# Allegro board 8880F5-0824_updates.brd (continued)
## Routing (per net, layer and track width the routed paths; a pad name or vN(x,y) marks a point on that pad's centre or on a via; arc(x,y) is an arc through that point) (continued)
33.02,94.79 ; D125.A9 32.21,93.98 ; D125.A9 33.83,93.98 ; D125.A9 33.02,93.17 ; D102.A14 341.17,76.2 ; D102.A14 340.36,75.39 ; D102.A14 340.36,77.01 ; D102.A14 339.55,76.2 ; D103.A8 325.93,55.88 ; D103.A8 325.12,56.69 ; D103.A8 324.31,55.88 ; D103.A8 325.12,55.07 ; D104.B6 320.04,41.45 ; D104.B6 320.04,39.83 ; D104.B6 319.23,40.64 ; D104.B6 320.85,40.64 ; D302.B4 314.96,71.83 ; D302.B4 314.25,71.12 ; D302.B4 315.67,71.12 ; D302.B4 314.96,70.41 ; CSDPS429.B12 172.72,343.71 ; CSDPS429.B12 173.53,342.9 ; CSDPS429.B12 171.91,342.9 ; CSDPS429.B12 172.72,342.09 ; D120.A11 185.42,33.83 ; D120.A11 184.61,33.02 ; D120.A11 185.42,32.21 ; D120.A11 186.23,33.02 ; D321.B16 272.49,91.44 ; D321.B16 271.78,90.73 ; D321.B16 271.07,91.44 ; D321.B16 271.78,92.15 ; 321.87,83.82 D301.A7 ; D301.A7 322.58,84.53 ; D301.A7 322.58,83.11 ; D301.A7 323.29,83.82 ; D322.B8 251.46,71.83 ; D322.B8 251.46,70.41 ; D322.B8 252.17,71.12 ; D322.B8 250.75,71.12 ; 344.63,81.28 D102.B16 ; D102.B16 345.44,82.09 ; D102.B16 346.25,81.28 ; D102.B16 345.44,80.47 ; 199.85,340.36 CSDPS429.C1 ; CSDPS429.C1 201.47,340.36 ; CSDPS429.C1 200.66,341.17 ; CSDPS429.C1 200.66,339.55 ; 260.81,60.96 D123.B12 ; D123.B12 262.43,60.96 ; D123.B12 261.62,61.77 ; D123.B12 261.62,60.15 ; 109.22,95.71 D129.A10 ; D129.A10 108.41,96.52 ; D129.A10 110.03,96.52 ; D129.A10 109.22,97.33 ; D124.A4 241.3,36.37 ; D124.A4 240.49,35.56 ; D124.A4 241.3,34.75 ; D124.A4 242.11,35.56 ; 396.24,354.79 D110.A11 ; D110.A11 395.43,355.6 ; D110.A11 397.05,355.6 ; D110.A11 396.24,356.41 ; CSDPS429.C13 170.18,341.17 ; CSDPS429.C13 169.37,340.36 ; CSDPS429.C13 170.99,340.36 ; CSDPS429.C13 170.18,339.55 ; D104.A10 330.2,36.37 ; D104.A10 329.39,35.56 ; D104.A10 331.01,35.56 ; D104.A10 330.2,34.75 ; D102.B3 313.23,78.74 ; D102.B3 312.42,79.55 ; D102.B3 311.61,78.74 ; D102.B3 312.42,77.93 ; 408.13,373.38 D111.A6 ; D111.A6 409.75,373.38 ; D111.A6 408.94,372.57 ; D111.A6 408.94,374.19 ; D130.A16 125.27,76.2 ; D130.A16 123.65,76.2 ; D130.A16 124.46,75.39 ; D130.A16 124.46,77.01 ; CSDPS229.C3 195.58,331.01 ; CSDPS229.C3 194.77,330.2 ; CSDPS229.C3 195.58,329.39 ; CSDPS229.C3 196.39,330.2 ; 175.26,37.29 D120.B7 ; D120.B7 176.07,38.1 ; D120.B7 175.26,38.91 ; D120.B7 174.45,38.1 ; 249.75,242.83 SITE1.G14 ; SITE1.G14 250.23,243.31 ; SITE1.G14 250.71,242.83 ; SITE1.G14 250.23,242.35 ; D317.B13 191.21,88.9 ; D317.B13 189.79,88.9 ; D317.B13 190.5,88.19 ; D317.B13 190.5,89.61 ; D104.A13 337.82,33.83 ; D104.A13 337.82,32.21 ; D104.A13 338.63,33.02 ; D104.A13 337.01,33.02 ; D104.B14 340.36,41.45 ; D104.B14 339.55,40.64 ; D104.B14 341.17,40.64 ; D104.B14 340.36,39.83 ; D107.B16 419.1,61.77 ; D107.B16 419.91,60.96 ; D107.B16 418.29,60.96 ; D107.B16 419.1,60.15 ; D114.B5 337.82,351.33 ; D114.B5 338.63,350.52 ; D114.B5 337.01,350.52 ; D114.B5 337.82,349.71 ; D124.A8 252.27,35.56 ; D124.A8 250.65,35.56 ; D124.A8 251.46,34.75 ; D124.A8 251.46,36.37 ; D115.A5 338.63,375.92 ; D115.A5 337.01,375.92 ; D115.A5 337.82,376.73 ; D115.A5 337.82,375.11 ; 17.78,37.29 D128.B3 ; D128.B3 16.97,38.1 ; D128.B3 17.78,38.91 ; D128.B3 18.59,38.1 ; D305.B7 396.24,89.61 ; D305.B7 395.53,88.9 ; D305.B7 396.95,88.9 ; D305.B7 396.24,88.19 ; 381,72.85 D106.A1 ; D106.A1 380.19,73.66 ; D106.A1 381.81,73.66 ; D106.A1 381,74.47 ; 184.61,370.84 D231.B7 ; D231.B7 185.42,371.65 ; D231.B7 186.23,370.84 ; D231.B7 185.42,370.03 ; 35.56,80.47 D126.B10 ; D126.B10 34.75,81.28 ; D126.B10 35.56,82.09 ; D126.B10 36.37,81.28 ; D120.A9 180.34,33.83 ; D120.A9 179.53,33.02 ; D120.A9 180.34,32.21 ; D120.A9 181.15,33.02 ; 177.09,66.04 D318.A8 ; D318.A8 177.8,65.33 ; D318.A8 177.8,66.75 ; D318.A8 178.51,66.04 ; 386.08,354.79 D110.A15 ; D110.A15 386.89,355.6 ; D110.A15 385.27,355.6 ; D110.A15 386.08,356.41 ; SITE2.G16 332.63,243.31 ; SITE2.G16 333.11,242.83 ; SITE2.G16 332.15,242.83 ; SITE2.G16 332.63,242.35 ; D122.A9 254,74.47 ; D122.A9 254,72.85 ; D122.A9 253.19,73.66 ; D122.A9 254.81,73.66 ; D128.B11 38.1,38.91 ; D128.B11 38.1,37.29 ; D128.B11 37.29,38.1 ; D128.B11 38.91,38.1 ; D128.A13 43.99,33.02 ; D128.A13 42.37,33.02 ; D128.A13 43.18,33.83 ; D128.A13 43.18,32.21 ; D122.B9 254.81,78.74 ; D122.B9 254,79.55 ; D122.B9 254,77.93 ; D122.B9 253.19,78.74 ; D122.B8 252.27,81.28 ; D122.B8 251.46,80.47 ; D122.B8 251.46,82.09 ; D122.B8 250.65,81.28 ; D318.B5 170.89,68.58 ; D318.B5 170.18,69.29 ; D318.B5 170.18,67.87 ; D318.B5 169.47,68.58 ; D127.B2 15.24,61.77 ; D127.B2 15.24,60.15 ; D127.B2 14.43,60.96 ; D127.B2 16.05,60.96 ; 388.62,85.65 D305.A4 ; D305.A4 389.33,86.36 ; D305.A4 388.62,87.07 ; D305.A4 387.91,86.36 ; D110.B8 404.67,347.98 ; D110.B8 403.05,347.98 ; D110.B8 403.86,347.17 ; D110.B8 403.86,348.79 ; D118.B10 183.69,81.28 ; D118.B10 182.88,82.09 ; D118.B10 182.07,81.28 ; D118.B10 182.88,80.47 ; 329.75,246.43 SITE2.G18 ; SITE2.G18 330.71,246.43 ; SITE2.G18 330.23,245.95 ; SITE2.G18 330.23,246.91 ; 314.96,352.25 D114.A14 ; D114.A14 314.96,353.87 ; D114.A14 314.15,353.06 ; D114.A14 315.77,353.06 ; DPS2.C15 313.23,410.21 ; DPS2.C15 312.42,411.02 ; DPS2.C15 311.61,410.21 ; DPS2.C15 312.42,409.4 ; 259.08,37.29 D124.B11 ; D124.B11 259.89,38.1 ; D124.B11 258.27,38.1 ; D124.B11 259.08,38.91 ; D110.A9 401.32,356.41 ; D110.A9 402.13,355.6 ; D110.A9 401.32,354.79 ; D110.A9 400.51,355.6 ; 405.59,53.34 D107.A11 ; D107.A11 406.4,54.15 ; D107.A11 406.4,52.53 ; D107.A11 407.21,53.34 ; 192.23,35.56 D120.A14 ; D120.A14 193.04,36.37 ; D120.A14 193.85,35.56 ; D120.A14 193.04,34.75 ; 248.11,58.42 D123.B7 ; D123.B7 249.73,58.42 ; D123.B7 248.92,57.61 ; D123.B7 248.92,59.23 ; 16.97,53.34 D127.A3 ; D127.A3 17.78,52.53 ; D127.A3 17.78,54.15 ; D127.A3 18.59,53.34 ; D123.A11 259.08,54.15 ; D123.A11 259.08,52.53 ; D123.A11 258.27,53.34 ; D123.A11 259.89,53.34 ; 238.76,77.93 D122.B3 ; D122.B3 238.76,79.55 ; D122.B3 239.57,78.74 ; D122.B3 237.95,78.74 ; D110.A5 412.29,355.6 ; D110.A5 411.48,356.41 ; D110.A5 411.48,354.79 ; D110.A5 410.67,355.6 ; D111.A4 414.02,374.19 ; D111.A4 413.21,373.38 ; D111.A4 414.83,373.38 ; D111.A4 414.02,372.57 ; 415.75,33.02 D108.A15 ; D108.A15 416.56,32.21 ; D108.A15 416.56,33.83 ; D108.A15 417.37,33.02 ; 238.05,63.5 D322.A3 ; D322.A3 238.76,62.79 ; D322.A3 238.76,64.21 ; D322.A3 239.47,63.5 ; D127.A14 45.72,56.69 ; D127.A14 44.91,55.88 ; D127.A14 45.72,55.07 ; D127.A14 46.53,55.88 ; 337.82,329.39 D113.B5 ; D113.B5 338.63,330.2 ; D113.B5 337.01,330.2 ; D113.B5 337.82,331.01 ; D431.A5 191.31,386.08 ; D431.A5 190.5,386.89 ; D431.A5 189.69,386.08 ; D431.A5 190.5,385.27 ; D231.A12 172.72,374.19 ; D231.A12 173.53,373.38 ; D231.A12 171.91,373.38 ; D231.A12 172.72,372.57 ; D318.A16 198.12,66.75 ; D318.A16 198.12,65.33 ; D318.A16 197.41,66.04 ; D318.A16 198.83,66.04 ; 123.65,101.6 D129.B16 ; D129.B16 125.27,101.6 ; D129.B16 124.46,102.41 ; D129.B16 124.46,100.79 ; 340.36,55.07 D103.A14 ; D103.A14 340.36,56.69 ; D103.A14 341.17,55.88 ; D103.A14 339.55,55.88 ; 177.09,91.44 D317.B8 ; D317.B8 177.8,92.15 ; D317.B8 177.8,90.73 ; D317.B8 178.51,91.44 ; 385.27,33.02 D108.A3 ; D108.A3 386.89,33.02 ; D108.A3 386.08,33.83 ; D108.A3 386.08,32.21 ; 266.7,60.15 D123.B14 ; D123.B14 266.7,61.77 ; D123.B14 265.89,60.96 ; D123.B14 267.51,60.96 ; 100.79,99.06 D129.B7 ; D129.B7 101.6,99.87 ; D129.B7 101.6,98.25 ; D129.B7 102.41,99.06 ; 17.78,77.93 D126.B3 ; D126.B3 18.59,78.74 ; D126.B3 16.97,78.74 ; D126.B3 17.78,79.55 ; SITE1.G1 248.33,241.81 ; SITE1.G1 248.81,241.33 ; SITE1.G1 247.85,241.33 ; SITE1.G1 248.33,240.85 ; 245.57,60.96 D123.B6 ; D123.B6 247.19,60.96 ; D123.B6 246.38,61.77 ; D123.B6 246.38,60.15 ; D231.B5 191.31,370.84 ; D231.B5 190.5,371.65 ; D231.B5 190.5,370.03 ; D231.B5 189.69,370.84 ; SITE2.G6 333.33,241.81 ; SITE2.G6 333.33,240.85 ; SITE2.G6 333.81,241.33 ; SITE2.G6 332.85,241.33 ; D317.B6 172.72,92.15 ; D317.B6 172.01,91.44 ; D317.B6 172.72,90.73 ; D317.B6 173.43,91.44 ; 410.67,53.34 D107.A13 ; D107.A13 411.48,52.53 ; D107.A13 411.48,54.15 ; D107.A13 412.29,53.34 ; D124.A11 259.08,33.83 ; D124.A11 259.08,32.21 ; D124.A11 258.27,33.02 ; D124.A11 259.89,33.02 ; 265.99,91.44 D321.B14 ; D321.B14 266.7,92.15 ; D321.B14 267.41,91.44 ; D321.B14 266.7,90.73 ; D120.A2 163.37,35.56 ; D120.A2 161.75,35.56 ; D120.A2 162.56,36.37 ; D120.A2 162.56,34.75 ; D132.B15 121.92,38.91 ; D132.B15 121.92,37.29 ; D132.B15 121.11,38.1 ; D132.B15 122.73,38.1 ; 116.84,57.61 D131.B13 ; D131.B13 116.84,59.23 ; D131.B13 116.03,58.42 ; D131.B13 117.65,58.42 ; 254,57.61 D123.B9 ; D123.B9 254.81,58.42 ; D123.B9 254,59.23 ; D123.B9 253.19,58.42 ; D113.A8 331.01,332.74 ; D113.A8 330.2,333.55 ; D113.A8 330.2,331.93 ; D113.A8 329.39,332.74 ; D124.A7 249.73,33.02 ; D124.A7 248.92,32.21 ; D124.A7 248.92,33.83 ; D124.A7 248.11,33.02 ; SITE4.G8 329.33,188.41 ; SITE4.G8 329.81,187.93 ; SITE4.G8 329.33,187.45 ; SITE4.G8 328.85,187.93 ; D106.A2 383.54,77.01 ; D106.A2 383.54,75.39 ; D106.A2 382.73,76.2 ; D106.A2 384.35,76.2 ; D125.B13 43.18,99.87 ; D125.B13 43.18,98.25 ; D125.B13 42.37,99.06 ; D125.B13 43.99,99.06 ; 339.55,327.66 D113.B4 ; D113.B4 340.36,326.85 ; D113.B4 341.17,327.66 ; D113.B4 340.36,328.47 ; 17.78,32.21 D128.A3 ; D128.A3 18.59,33.02 ; D128.A3 17.78,33.83 ; D128.A3 16.97,33.02 ; D118.B12 188.77,81.28 ; D118.B12 187.96,82.09 ; D118.B12 187.15,81.28 ; D118.B12 187.96,80.47 ; 342.09,38.1 D104.B15 ; D104.B15 342.9,38.91 ; D104.B15 342.9,37.29 ; D104.B15 343.71,38.1 ; 37.29,73.66 D126.A11 ; D126.A11 38.1,72.85 ; D126.A11 38.1,74.47 ; D126.A11 38.91,73.66 ; 187.15,35.56 D120.A12 ; D120.A12 187.96,34.75 ; D120.A12 188.77,35.56 ; D120.A12 187.96,36.37 ; 413.21,388.62 D112.B4 ; D112.B4 414.02,387.81 ; D112.B4 414.02,389.43 ; D112.B4 414.83,388.62 ; D114.B1 348.79,350.52 ; D114.B1 347.98,349.71 ; D114.B1 347.17,350.52 ; D114.B1 347.98,351.33 ; 331.93,335.28 D113.A7 ; D113.A7 333.55,335.28 ; D113.A7 332.74,336.09 ; D113.A7 332.74,334.47 ; D119.B14 193.85,60.96 ; D119.B14 193.04,61.77 ; D119.B14 193.04,60.15 ; D119.B14 192.23,60.96 ; 414.02,55.07 D107.A14 ; D107.A14 413.21,55.88 ; D107.A14 414.02,56.69 ; D107.A14 414.83,55.88 ; SITE3.G14 250.23,183.31 ; SITE3.G14 250.23,182.35 ; SITE3.G14 249.75,182.83 ; SITE3.G14 250.71,182.83 ; 169.37,53.34 D119.A5 ; D119.A5 170.99,53.34 ; D119.A5 170.18,52.53 ; D119.A5 170.18,54.15 ; D111.B14 388.62,369.11 ; D111.B14 389.43,368.3 ; D111.B14 388.62,367.49 ; D111.B14 387.81,368.3 ; DPS2.C11 322.58,411.02 ; DPS2.C11 322.58,409.4 ; DPS2.C11 321.77,410.21 ; DPS2.C11 323.39,410.21 ; 166.83,368.3 D231.B14 ; D231.B14 167.64,367.49 ; D231.B14 167.64,369.11 ; D231.B14 168.45,368.3 ; D111.A13 391.97,375.92 ; D111.A13 390.35,375.92 ; D111.A13 391.16,376.73 ; D111.A13 391.16,375.11 ; D106.B12 409.75,81.28 ; D106.B12 408.13,81.28 ; D106.B12 408.94,82.09 ; D106.B12 408.94,80.47 ; D115.A12 320.85,373.38 ; D115.A12 320.04,374.19 ; D115.A12 319.23,373.38 ; D115.A12 320.04,372.57 ; 184.61,58.42 D119.B11 ; D119.B11 186.23,58.42 ; D119.B11 185.42,57.61 ; D119.B11 185.42,59.23 ; 91.44,93.17 D129.A3 ; D129.A3 91.44,94.79 ; D129.A3 92.25,93.98 ; D129.A3 90.63,93.98 ; 415.75,73.66 D106.A15 ; D106.A15 417.37,73.66 ; D106.A15 416.56,74.47 ; D106.A15 416.56,72.85 ; 96.2,219.15 U2.4 ; U2.4 98.08,219.15 ; U2.4 97.14,220.09 ; U2.4 97.14,218.21 ; 237.95,58.42 D123.B3 ; D123.B3 238.76,57.61 ; D123.B3 238.76,59.23 ; D123.B3 239.57,58.42 ; D129.B11 112.57,99.06 ; D129.B11 110.95,99.06 ; D129.B11 111.76,98.25 ; D129.B11 111.76,99.87 ; 342.9,72.85 D102.A15 ; D102.A15 342.09,73.66 ; D102.A15 342.9,74.47 ; D102.A15 343.71,73.66 ; D109.A5 412.29,335.28 ; D109.A5 411.48,336.09 ; D109.A5 411.48,334.47 ; D109.A5 410.67,335.28 ; 342.9,390.35 D116.B3 ; D116.B3 342.9,391.97 ; D116.B3 342.09,391.16 ; D116.B3 343.71,391.16 ; D128.A7 27.94,33.83 ; D128.A7 27.13,33.02 ; D128.A7 28.75,33.02 ; D128.A7 27.94,32.21 ; CSDPS429.C7 186.23,340.36 ; CSDPS429.C7 185.42,341.17 ; CSDPS429.C7 185.42,339.55 ; CSDPS429.C7 184.61,340.36 ; SITE4.G3 330.81,181.33 ; SITE4.G3 330.33,181.81 ; SITE4.G3 330.33,180.85 ; SITE4.G3 329.85,181.33 ; 165.1,370.03 D231.B15 ; D231.B15 165.91,370.84 ; D231.B15 164.29,370.84 ; D231.B15 165.1,371.65 ; 195.58,52.53 D119.A15 ; D119.A15 196.39,53.34 ; D119.A15 195.58,54.15 ; D119.A15 194.77,53.34 ; 392.89,373.38 D111.A12 ; D111.A12 394.51,373.38 ; D111.A12 393.7,372.57 ; D111.A12 393.7,374.19 ; D302.B8 325.83,71.12 ; D302.B8 325.12,70.41 ; D302.B8 325.12,71.83 ; D302.B8 324.41,71.12 ; 266.7,34.75 D124.A14 ; D124.A14 265.89,35.56 ; D124.A14 267.51,35.56 ; D124.A14 266.7,36.37 ; 265.99,66.04 D322.A14 ; D322.A14 266.7,65.33 ; D322.A14 267.41,66.04 ; D322.A14 266.7,66.75 ; 383.54,392.89 D112.A16 ; D112.A16 383.54,394.51 ; D112.A16 382.73,393.7 ; D112.A16 384.35,393.7 ; D107.B8 398.78,61.77 ; D107.B8 397.97,60.96 ; D107.B8 398.78,60.15 ; D107.B8 399.59,60.96 ; 342.09,350.52 D114.B3 ; D114.B3 342.9,349.71 ; D114.B3 343.71,350.52 ; D114.B3 342.9,351.33 ; 322.58,334.47 D113.A11 ; D113.A11 322.58,336.09 ; D113.A11 323.39,335.28 ; D113.A11 321.77,335.28 ; D103.B10 330.2,61.77 ; D103.B10 330.2,60.15 ; D103.B10 331.01,60.96 ; D103.B10 329.39,60.96 ; 309.07,373.38 D115.A16 ; D115.A16 309.88,372.57 ; D115.A16 309.88,374.19 ; D115.A16 310.69,373.38 ; 395.43,73.66 D106.A7 ; D106.A7 396.24,72.85 ; D106.A7 397.05,73.66 ; D106.A7 396.24,74.47 ; D126.A8 30.48,77.01 ; D126.A8 29.67,76.2 ; D126.A8 30.48,75.39 ; D126.A8 31.29,76.2 ; D128.B15 49.07,38.1 ; D128.B15 47.45,38.1 ; D128.B15 48.26,37.29 ; D128.B15 48.26,38.91 ; D132.B2 88.9,41.45 ; D132.B2 89.71,40.64 ; D132.B2 88.09,40.64 ; D132.B2 88.9,39.83 ; D113.A14 315.77,332.74 ; D113.A14 314.15,332.74 ; D113.A14 314.96,333.55 ; D113.A14 314.96,331.93 ; D125.B12 40.64,102.41 ; D125.B12 41.45,101.6 ; D125.B12 39.83,101.6 ; D125.B12 40.64,100.79 ; DPS1.C01 381,19.86 ; DPS1.C01 381.81,19.05 ; DPS1.C01 380.19,19.05 ; DPS1.C01 381,18.24 ; D114.B16 310.69,347.98 ; D114.B16 309.07,347.98 ; D114.B16 309.88,348.79 ; D114.B16 309.88,347.17 ; 380.29,88.9 D305.B1 ; D305.B1 381,89.61 ; D305.B1 381.71,88.9 ; D305.B1 381,88.19 ; 195.58,57.61 D119.B15 ; D119.B15 196.39,58.42 ; D119.B15 195.58,59.23 ; D119.B15 194.77,58.42 ; D114.A8 331.01,353.06 ; D114.A8 330.2,353.87 ; D114.A8 330.2,352.25 ; D114.A8 329.39,353.06 ; 250.95,186.43 SITE3.G19 ; SITE3.G19 251.43,185.95 ; SITE3.G19 251.91,186.43 ; SITE3.G19 251.43,186.91 ; D305.A14 414.02,87.07 ; D305.A14 413.31,86.36 ; D305.A14 414.73,86.36 ; D305.A14 414.02,85.65 ; 414.02,326.85 D109.B4 ; D109.B4 414.02,328.47 ; D109.B4 413.21,327.66 ; D109.B4 414.83,327.66 ; D132.A15 121.92,33.83 ; D132.A15 121.92,32.21 ; D132.A15 121.11,33.02 ; D132.A15 122.73,33.02 ; 161.75,76.2 D118.A2 ; D118.A2 163.37,76.2 ; D118.A2 162.56,75.39 ; D118.A2 162.56,77.01 ; D127.B12 41.45,60.96 ; D127.B12 40.64,60.15 ; D127.B12 40.64,61.77 ; D127.B12 39.83,60.96 ; 400.61,63.5 D306.A9 ; D306.A9 401.32,62.79 ; D306.A9 401.32,64.21 ; D306.A9 402.03,63.5 ; D110.B10 399.59,347.98 ; D110.B10 398.78,347.17 ; D110.B10 397.97,347.98 ; D110.B10 398.78,348.79 ; 193.04,331.93 CSDPS229.B4 ; CSDPS229.B4 193.04,333.55 ; CSDPS229.B4 192.23,332.74 ; CSDPS229.B4 193.85,332.74 ; D321.A16 271.78,87.07 ; D321.A16 271.07,86.36 ; D321.A16 272.49,86.36 ; D321.A16 271.78,85.65 ; 182.07,76.2 D118.A10 ; D118.A10 182.88,77.01 ; D118.A10 183.69,76.2 ; D118.A10 182.88,75.39 ; 166.93,91.44 D317.B4 ; D317.B4 167.64,92.15 ; D317.B4 168.35,91.44 ; D317.B4 167.64,90.73 ; SITE4.G20 333.11,186.43 ; SITE4.G20 332.15,186.43 ; SITE4.G20 332.63,186.91 ; SITE4.G20 332.63,185.95 ; 309.17,86.36 D301.A2 ; D301.A2 310.59,86.36 ; D301.A2 309.88,85.65 ; D301.A2 309.88,87.07 ; D129.A6 99.87,96.52 ; D129.A6 99.06,97.33 ; D129.A6 99.06,95.71 ; D129.A6 98.25,96.52 ; D302.B7 323.29,68.58 ; D302.B7 322.58,69.29 ; D302.B7 322.58,67.87 ; D302.B7 321.87,68.58 ; 98.25,101.6 D129.B6 ; D129.B6 99.06,102.41 ; D129.B6 99.87,101.6 ; D129.B6 99.06,100.79 ; D132.B16 125.27,40.64 ; D132.B16 124.46,41.45 ; D132.B16 123.65,40.64 ; D132.B16 124.46,39.83 ; D115.B12 320.04,369.11 ; D115.B12 320.85,368.3 ; D115.B12 319.23,368.3 ; D115.B12 320.04,367.49 ; D321.B4 241.3,92.15 ; D321.B4 240.59,91.44 ; D321.B4 242.01,91.44 ; D321.B4 241.3,90.73 ; 182.07,332.74 CSDPS229.B8 ; CSDPS229.B8 182.88,331.93 ; CSDPS229.B8 183.69,332.74 ; CSDPS229.B8 182.88,333.55 ; D109.B13 391.16,331.01 ; D109.B13 391.16,329.39 ; D109.B13 390.35,330.2 ; D109.B13 391.97,330.2 ; 311.61,370.84 D115.B15 ; D115.B15 313.23,370.84 ; D115.B15 312.42,370.03 ; D115.B15 312.42,371.65 ; D126.B12 41.45,81.28 ; D126.B12 40.64,82.09 ; D126.B12 40.64,80.47 ; D126.B12 39.83,81.28 ; 268.43,19.05 DPS3.C15 ; DPS3.C15 270.05,19.05 ; DPS3.C15 269.24,18.24 ; DPS3.C15 269.24,19.86 ; SITE3.G15 251.91,182.83 ; SITE3.G15 251.43,183.31 ; SITE3.G15 251.43,182.35 ; SITE3.G15 250.95,182.83 ; 400.51,335.28 D109.A9 ; D109.A9 401.32,334.47 ; D109.A9 402.13,335.28 ; D109.A9 401.32,336.09 ; D103.A5 318.31,53.34 ; D103.A5 317.5,54.15 ; D103.A5 317.5,52.53 ; D103.A5 316.69,53.34 ; 307.34,62.79 D302.A1 ; D302.A1 308.05,63.5 ; D302.A1 306.63,63.5 ; D302.A1 307.34,64.21 ; CSDPS425.C5 264.97,340.36 ; CSDPS425.C5 264.16,341.17 ; CSDPS425.C5 264.16,339.55 ; CSDPS425.C5 263.35,340.36 ; 309.88,326.85 D113.B16 ; D113.B16 309.07,327.66 ; D113.B16 310.69,327.66 ; D113.B16 309.88,328.47 ; D127.B6 25.4,61.77 ; D127.B6 24.59,60.96 ; D127.B6 26.21,60.96 ; D127.B6 25.4,60.15 ; D126.B5 22.86,79.55 ; D126.B5 22.05,78.74 ; D126.B5 23.67,78.74 ; D126.B5 22.86,77.93 ; 332.74,57.61 D103.B11 ; D103.B11 332.74,59.23 ; D103.B11 331.93,58.42 ; D103.B11 333.55,58.42 ; 88.9,75.39 D130.A2 ; D130.A2 88.09,76.2 ; D130.A2 89.71,76.2 ; D130.A2 88.9,77.01 ; 403.86,70.41 D306.B10 ; D306.B10 403.86,71.83 ; D306.B10 404.57,71.12 ; D306.B10 403.15,71.12 ; 189.79,83.82 D317.A13 ; D317.A13 190.5,83.11 ; D317.A13 191.21,83.82 ; D317.A13 190.5,84.53 ; 270.97,342.9 CSDPS425.B2 ; CSDPS425.B2 271.78,342.09 ; CSDPS425.B2 272.59,342.9 ; CSDPS425.B2 271.78,343.71 ; CSDPS225.C3 270.05,330.2 ; CSDPS225.C3 269.24,329.39 ; CSDPS225.C3 268.43,330.2 ; CSDPS225.C3 269.24,331.01 ; 252.15,182.83 SITE3.G16 ; SITE3.G16 252.63,183.31 ; SITE3.G16 253.11,182.83 ; SITE3.G16 252.63,182.35 ; D123.A9 254.81,53.34 ; D123.A9 254,54.15 ; D123.A9 254,52.53 ; D123.A9 253.19,53.34 ; D108.B14 414.83,40.64 ; D108.B14 414.02,39.83 ; D108.B14 413.21,40.64 ; D108.B14 414.02,41.45 ; 337.82,83.11 D301.A13 ; D301.A13 338.53,83.82 ; D301.A13 337.11,83.82 ; D301.A13 337.82,84.53 ; D431.A3 195.58,386.89 ; D431.A3 195.58,385.27 ; D431.A3 196.39,386.08 ; D431.A3 194.77,386.08 ; D114.B13 317.5,351.33 ; D114.B13 316.69,350.52 ; D114.B13 317.5,349.71 ; D114.B13 318.31,350.52 ; D110.B7 407.21,350.52 ; D110.B7 405.59,350.52 ; D110.B7 406.4,349.71 ; D110.B7 406.4,351.33 ; D116.A4 340.36,394.51 ; D116.A4 339.55,393.7 ; D116.A4 340.36,392.89 ; D116.A4 341.17,393.7 ; 324.31,332.74 D113.A10 ; D113.A10 325.12,333.55 ; D113.A10 325.93,332.74 ; D113.A10 325.12,331.93 ; DPS2.A15 312.42,416.1 ; DPS2.A15 312.42,414.48 ; DPS2.A15 313.23,415.29 ; DPS2.A15 311.61,415.29 ; D124.B7 249.73,38.1 ; D124.B7 248.92,38.91 ; D124.B7 248.92,37.29 ; D124.B7 248.11,38.1 ; 166.83,40.64 D120.B4 ; D120.B4 167.64,41.45 ; D120.B4 168.45,40.64 ; D120.B4 167.64,39.83 ; 390.35,53.34 D107.A5 ; D107.A5 391.97,53.34 ; D107.A5 391.16,52.53 ; D107.A5 391.16,54.15 ; D110.A3 416.56,356.41 ; D110.A3 417.37,355.6 ; D110.A3 416.56,354.79 ; D110.A3 415.75,355.6 ; 392.89,327.66 D109.B12 ; D109.B12 393.7,326.85 ; D109.B12 394.51,327.66 ; D109.B12 393.7,328.47 ; SITE4.G19 331.43,186.91 ; SITE4.G19 331.43,185.95 ; SITE4.G19 330.95,186.43 ; SITE4.G19 331.91,186.43 ; D123.B16 271.78,61.77 ; D123.B16 271.78,60.15 ; D123.B16 270.97,60.96 ; D123.B16 272.59,60.96 ; D122.B1 234.49,78.74 ; D122.B1 232.87,78.74 ; D122.B1 233.68,79.55 ; D122.B1 233.68,77.93 ; 175.26,32.21 D120.A7 ; D120.A7 175.26,33.83 ; D120.A7 174.45,33.02 ; D120.A7 176.07,33.02 ; 319.23,353.06 D114.A12 ; D114.A12 320.04,353.87 ; D114.A12 320.85,353.06 ; D114.A12 320.04,352.25 ; 406.4,390.35 D112.B7 ; D112.B7 407.21,391.16 ; D112.B7 405.59,391.16 ; D112.B7 406.4,391.97 ; 265.89,81.28 D122.B14 ; D122.B14 267.51,81.28 ; D122.B14 266.7,82.09 ; D122.B14 266.7,80.47 ; D322.A15 269.24,64.21 ; D322.A15 269.95,63.5 ; D322.A15 269.24,62.79 ; D322.A15 268.53,63.5 ; 322.58,37.29 D104.B7 ; D104.B7 322.58,38.91 ; D104.B7 321.77,38.1 ; D104.B7 323.39,38.1 ; CSDPS225.C9 254.81,330.2 ; CSDPS225.C9 254,329.39 ; CSDPS225.C9 254,331.01 ; CSDPS225.C9 253.19,330.2 ; D231.B13 170.99,370.84 ; D231.B13 170.18,370.03 ; D231.B13 169.37,370.84 ; D231.B13 170.18,371.65 ; D103.A2 310.69,55.88 ; D103.A2 309.88,56.69 ; D103.A2 309.88,55.07 ; D103.A2 309.07,55.88 ; 408.94,65.33 D306.A12 ; D306.A12 409.65,66.04 ; D306.A12 408.94,66.75 ; D306.A12 408.23,66.04 ; D124.A15 269.24,33.83 ; D124.A15 270.05,33.02 ; D124.A15 269.24,32.21 ; D124.A15 268.43,33.02 ; D112.B16 383.54,389.43 ; D112.B16 383.54,387.81 ; D112.B16 384.35,388.62 ; D112.B16 382.73,388.62 ; 116.84,37.29 D132.B13 ; D132.B13 117.65,38.1 ; D132.B13 116.84,38.91 ; D132.B13 116.03,38.1 ; 419.1,392.89 D112.A2 ; D112.A2 418.29,393.7 ; D112.A2 419.91,393.7 ; D112.A2 419.1,394.51 ; D231.A10 178.61,373.38 ; D231.A10 176.99,373.38 ; D231.A10 177.8,374.19 ; D231.A10 177.8,372.57 ; D431.A1 200.66,386.89 ; D431.A1 201.47,386.08 ; D431.A1 200.66,385.27 ; D431.A1 199.85,386.08 ; 182.88,377.65 D431.B8 ; D431.B8 183.69,378.46 ; D431.B8 182.07,378.46 ; D431.B8 182.88,379.27 ; 243.84,77.93 D122.B5 ; D122.B5 243.03,78.74 ; D122.B5 243.84,79.55 ; D122.B5 244.65,78.74 ; D110.A1 421.64,356.41 ; D110.A1 421.64,354.79 ; D110.A1 422.45,355.6 ; D110.A1 420.83,355.6 ; 40.64,34.75 D128.A12 ; D128.A12 39.83,35.56 ; D128.A12 40.64,36.37 ; D128.A12 41.45,35.56 ; 252.85,181.33 SITE3.G6 ; SITE3.G6 253.81,181.33 ; SITE3.G6 253.33,181.81 ; SITE3.G6 253.33,180.85 ; D306.B3 386.79,68.58 ; D306.B3 386.08,69.29 ; D306.B3 385.37,68.58 ; D306.B3 386.08,67.87 ; D231.B6 187.96,369.11 ; D231.B6 187.96,367.49 ; D231.B6 188.77,368.3 ; D231.B6 187.15,368.3 ; D108.A14 414.83,35.56 ; D108.A14 414.02,36.37 ; D108.A14 413.21,35.56 ; D108.A14 414.02,34.75 ; 312.42,83.11 D301.A3 ; D301.A3 312.42,84.53 ; D301.A3 313.13,83.82 ; D301.A3 311.71,83.82 ; 411.48,395.43 D112.A5 ; D112.A5 412.29,396.24 ; D112.A5 410.67,396.24 ; D112.A5 411.48,397.05 ; D122.B4 241.3,82.09 ; D122.B4 241.3,80.47 ; D122.B4 240.49,81.28 ; D122.B4 242.11,81.28 ; D108.B16 419.1,41.45 ; D108.B16 419.91,40.64 ; D108.B16 419.1,39.83 ; D108.B16 418.29,40.64 ; D110.A2 419.91,353.06 ; D110.A2 419.1,352.25 ; D110.A2 418.29,353.06 ; D110.A2 419.1,353.87 ; 411.48,349.71 D110.B5 ; D110.B5 412.29,350.52 ; D110.B5 411.48,351.33 ; D110.B5 410.67,350.52 ; 406.4,354.79 D110.A7 ; D110.A7 406.4,356.41 ; D110.A7 407.21,355.6 ; D110.A7 405.59,355.6 ; D114.A16 310.69,353.06 ; D114.A16 309.88,352.25 ; D114.A16 309.88,353.87 ; D114.A16 309.07,353.06 ; 16.97,99.06 D125.B3 ; D125.B3 18.59,99.06 ; D125.B3 17.78,98.25 ; D116.B4 340.36,389.43 ; D116.B4 340.36,387.81 ; D116.B4 339.55,388.62 ; D116.B4 341.17,388.62 ; 252.33,180.85 SITE3.G5 ; SITE3.G5 252.81,181.33 ; SITE3.G5 252.33,181.81 ; SITE3.G5 251.85,181.33 ; 98.25,55.88 D131.A6 ; D131.A6 99.87,55.88 ; D131.A6 99.06,55.07 ; D131.A6 99.06,56.69 ; D112.A11 396.24,397.05 ; D112.A11 395.43,396.24 ; D112.A11 397.05,396.24 ; D112.A11 396.24,395.43 ; 171.91,40.64 D120.B6 ; D120.B6 172.72,41.45 ; D120.B6 172.72,39.83 ; D120.B6 173.53,40.64 ; 415.75,58.42 D107.B15 ; D107.B15 416.56,59.23 ; D107.B15 416.56,57.61 ; D107.B15 417.37,58.42 ; D122.A8 251.46,77.01 ; D122.A8 252.27,76.2 ; D122.A8 250.65,76.2 ; D122.A8 251.46,75.39 ; D305.A13 411.48,84.53 ; D305.A13 412.19,83.82 ; D305.A13 411.48,83.11 ; D305.A13 410.77,83.82 ; D104.A3 313.23,33.02 ; D104.A3 311.61,33.02 ; D104.A3 312.42,32.21 ; D104.A3 312.42,33.83 ; 331.93,391.16 D116.B7 ; D116.B7 332.74,390.35 ; D116.B7 333.55,391.16 ; D116.B7 332.74,391.97 ; D114.B9 328.47,350.52 ; D114.B9 326.85,350.52 ; D114.B9 327.66,351.33 ; D114.B9 327.66,349.71 ; D305.A11 407.11,83.82 ; D305.A11 405.69,83.82 ; D305.A11 406.4,83.11 ; D305.A11 406.4,84.53 ; D102.A1 307.34,74.47 ; D102.A1 308.15,73.66 ; D102.A1 307.34,72.85 ; D102.A1 306.53,73.66 ; D120.A5 170.18,33.83 ; D120.A5 170.18,32.21 ; D120.A5 169.37,33.02 ; D120.A5 170.99,33.02 ; 319.33,71.12 D302.B6 ; D302.B6 320.75,71.12 ; D302.B6 320.04,71.83 ; D302.B6 320.04,70.41 ; D118.A16 198.93,76.2 ; D118.A16 198.12,75.39 ; D118.A16 198.12,77.01 ; D118.A16 197.31,76.2 ; D322.A5 244.55,63.5 ; D322.A5 243.84,64.21 ; D322.A5 243.84,62.79 ; D322.A5 243.13,63.5 ; D104.A11 332.74,33.83 ; D104.A11 333.55,33.02 ; D104.A11 331.93,33.02 ; D104.A11 332.74,32.21 ; 337.01,415.29 DPS2.A05 ; DPS2.A05 337.82,416.1 ; DPS2.A05 337.82,414.48 ; DPS2.A05 338.63,415.29 ; D108.B10 404.67,40.64 ; D108.B10 403.86,41.45 ; D108.B10 403.86,39.83 ; D108.B10 403.05,40.64 ; 332.63,245.95 SITE2.G20 ; SITE2.G20 332.63,246.91 ; SITE2.G20 332.15,246.43 ; SITE2.G20 333.11,246.43 ; 165.1,380.19 D431.B15 ; D431.B15 165.1,381.81 ; D431.B15 165.91,381 ; D431.B15 164.29,381 ; 345.44,392.89 D116.A2 ; D116.A2 344.63,393.7 ; D116.A2 345.44,394.51 ; D116.A2 346.25,393.7 ; D107.A12 409.75,55.88 ; D107.A12 408.94,56.69 ; D107.A12 408.13,55.88 ; D107.A12 408.94,55.07 ; D116.A5 338.63,396.24 ; D116.A5 337.01,396.24 ; D116.A5 337.82,397.05 ; D116.A5 337.82,395.43 ; 403.05,373.38 D111.A8 ; D111.A8 403.86,372.57 ; D111.A8 403.86,374.19 ; D111.A8 404.67,373.38 ; 345.44,85.65 D301.A16 ; D301.A16 346.15,86.36 ; D301.A16 345.44,87.07 ; D301.A16 344.73,86.36 ; 414.02,367.49 D111.B4 ; D111.B4 414.02,369.11 ; D111.B4 414.83,368.3 ; D111.B4 413.21,368.3 ; D129.A11 112.57,93.98 ; D129.A11 111.76,94.79 ; D129.A11 111.76,93.17 ; D129.A11 110.95,93.98 ; D102.A4 314.96,77.01 ; D102.A4 315.77,76.2 ; D102.A4 314.96,75.39 ; D102.A4 314.15,76.2 ; 395.43,58.42 D107.B7 ; D107.B7 396.24,59.23 ; D107.B7 397.05,58.42 ; D107.B7 396.24,57.61 ; 307.34,37.29 D104.B1 ; D104.B1 308.15,38.1 ; D104.B1 307.34,38.91 ; D104.B1 306.53,38.1 ; D119.A3 165.91,53.34 ; D119.A3 164.29,53.34 ; D119.A3 165.1,52.53 ; D119.A3 165.1,54.15 ; 170.18,380.19 D431.B13 ; D431.B13 170.18,381.81 ; D431.B13 170.99,381 ; D431.B13 169.37,381 ; 116.84,93.17 D129.A13 ; D129.A13 116.03,93.98 ; D129.A13 116.84,94.79 ; D129.A13 117.65,93.98 ; D118.B4 168.45,81.28 ; D118.B4 167.64,80.47 ; D118.B4 167.64,82.09 ; D118.B4 166.83,81.28 ; D118.B9 181.15,78.74 ; D118.B9 179.53,78.74 ; D118.B9 180.34,79.55 ; D118.B9 180.34,77.93 ; 316.69,73.66 D102.A5 ; D102.A5 317.5,74.47 ; D102.A5 317.5,72.85 ; D102.A5 318.31,73.66 ; D231.B16 162.56,369.11 ; D231.B16 162.56,367.49 ; D231.B16 163.37,368.3 ; D231.B16 161.75,368.3 ; D104.A8 325.93,35.56 ; D104.A8 324.31,35.56 ; D104.A8 325.12,36.37 ; D104.A8 325.12,34.75 ; 49.99,81.28 D126.B16 ; D126.B16 50.8,82.09 ; D126.B16 51.61,81.28 ; D126.B16 50.8,80.47 ; 43.18,52.53 D127.A13 ; D127.A13 43.18,54.15 ; D127.A13 43.99,53.34 ; D127.A13 42.37,53.34 ; 248.85,247.93 SITE1.G8 ; SITE1.G8 249.33,248.41 ; SITE1.G8 249.81,247.93 ; SITE1.G8 249.33,247.45 ; D126.A1 13.51,73.66 ; D126.A1 12.7,72.85 ; D126.A1 12.7,74.47 ; D126.A1 11.89,73.66 ; D102.B5 317.5,79.55 ; D102.B5 318.31,78.74 ; D102.B5 317.5,77.93 ; D102.B5 316.69,78.74 ; D132.B9 107.49,38.1 ; D132.B9 106.68,37.29 ; D132.B9 105.87,38.1 ; D132.B9 106.68,38.91 ; D106.B11 406.4,79.55 ; D106.B11 406.4,77.93 ; D106.B11 405.59,78.74 ; D106.B11 407.21,78.74 ; 324.31,81.28 D102.B8 ; D102.B8 325.12,82.09 ; D102.B8 325.12,80.47 ; D102.B8 325.93,81.28 ; D106.A10 404.67,76.2 ; D106.A10 403.86,77.01 ; D106.A10 403.86,75.39 ; D106.A10 403.05,76.2 ; 109.22,34.75 D132.A10 ; D132.A10 109.22,36.37 ; D132.A10 108.41,35.56 ; D132.A10 110.03,35.56 ; D128.A11 38.91,33.02 ; D128.A11 38.1,32.21 ; D128.A11 38.1,33.83 ; D128.A11 37.29,33.02 ; D131.A7 102.41,53.34 ; D131.A7 100.79,53.34 ; D131.A7 101.6,52.53 ; D131.A7 101.6,54.15 ; D301.A4 315.67,86.36 ; D301.A4 314.25,86.36 ; D301.A4 314.96,87.07 ; D301.A4 314.96,85.65 ; D106.B3 386.08,79.55 ; D106.B3 385.27,78.74 ; D106.B3 386.08,77.93 ; D106.B3 386.89,78.74 ; 332.63,182.35 SITE4.G16 ; SITE4.G16 333.11,182.83 ; SITE4.G16 332.63,183.31 ; SITE4.G16 332.15,182.83 ; 261.62,75.39 D122.A12 ; D122.A12 260.81,76.2 ; D122.A12 262.43,76.2 ; D122.A12 261.62,77.01 ; 159.21,33.02 D120.A1 ; D120.A1 160.83,33.02 ; D120.A1 160.02,32.21 ; D120.A1 160.02,33.83 ; 321.77,53.34 D103.A7 ; D103.A7 322.58,52.53 ; D103.A7 323.39,53.34 ; D103.A7 322.58,54.15 ; D318.B6 172.72,71.83 ; D318.B6 172.72,70.41 ; D318.B6 173.43,71.12 ; D318.B6 172.01,71.12 ; D321.A14 267.41,86.36 ; D321.A14 266.7,87.07 ; D321.A14 265.99,86.36 ; D321.A14 266.7,85.65 ; D431.A7 186.23,386.08 ; D431.A7 185.42,385.27 ; D431.A7 185.42,386.89 ; D431.A7 184.61,386.08 ; 327.66,77.93 D102.B9 ; D102.B9 326.85,78.74 ; D102.B9 327.66,79.55 ; D102.B9 328.47,78.74 ; 25.4,100.79 D125.B6 ; D125.B6 26.21,101.6 ; D125.B6 24.59,101.6 ; D125.B6 25.4,102.41 ; D106.A11 407.21,73.66 ; D106.A11 406.4,74.47 ; D106.A11 406.4,72.85 ; D106.A11 405.59,73.66 ; 245.67,86.36 D321.A6 ; D321.A6 246.38,85.65 ; D321.A6 247.09,86.36 ; D321.A6 246.38,87.07 ; D131.B4 93.98,61.77 ; D131.B4 93.17,60.96 ; D131.B4 93.98,60.15 ; D131.B4 94.79,60.96 ; D132.A3 92.25,33.02 ; D132.A3 91.44,32.21 ; D132.A3 91.44,33.83 ; D132.A3 90.63,33.02 ; SITE4.G18 330.23,186.91 ; SITE4.G18 330.23,185.95 ; SITE4.G18 329.75,186.43 ; SITE4.G18 330.71,186.43 ; SITE4.G2 329.33,181.81 ; SITE4.G2 329.81,181.33 ; SITE4.G2 328.85,181.33 ; SITE4.G2 329.33,180.85 ; SITE3.G9 250.81,187.93 ; SITE3.G9 250.33,187.45 ; SITE3.G9 250.33,188.41 ; SITE3.G9 249.85,187.93 ; D116.B16 309.88,389.43 ; D116.B16 309.07,388.62 ; D116.B16 310.69,388.62 ; D116.B16 309.88,387.81 ; D107.A9 401.32,54.15 ; D107.A9 400.51,53.34 ; D107.A9 402.13,53.34 ; D107.A9 401.32,52.53 ; 103.33,60.96 D131.B8 ; D131.B8 104.14,60.15 ; D131.B8 104.95,60.96 ; D131.B8 104.14,61.77 ; DPS8.C01 200.66,411.02 ; DPS8.C01 200.66,409.4 ; DPS8.C01 201.47,410.21 ; DPS8.C01 199.85,410.21 ; D104.B2 310.69,40.64 ; D104.B2 309.88,39.83 ; D104.B2 309.07,40.64 ; D104.B2 309.88,41.45 ; 327.85,241.33 SITE2.G1 ; SITE2.G1 328.33,240.85 ; SITE2.G1 328.81,241.33 ; SITE2.G1 328.33,241.81 ; D122.B11 259.08,79.55 ; D122.B11 259.89,78.74 ; D122.B11 259.08,77.93 ; D122.B11 258.27,78.74 ; 335.28,90.73 D301.B12 ; D301.B12 334.57,91.44 ; D301.B12 335.99,91.44 ; D301.B12 335.28,92.15 ; 47.45,53.34 D127.A15 ; D127.A15 48.26,54.15 ; D127.A15 48.26,52.53 ; D127.A15 49.07,53.34 ; D107.B10 403.86,61.77 ; D107.B10 403.05,60.96 ; D107.B10 403.86,60.15 ; D107.B10 404.67,60.96 ; D108.A12 409.75,35.56 ; D108.A12 408.94,34.75 ; D108.A12 408.94,36.37 ; D108.A12 408.13,35.56 ; 335.28,85.65 D301.A12 ; D301.A12 335.28,87.07 ; D301.A12 335.99,86.36 ; D301.A12 334.57,86.36 ; 88.09,55.88 D131.A2 ; D131.A2 88.9,56.69 ; D131.A2 88.9,55.07 ; D131.A2 89.71,55.88 ; D114.A15 312.42,356.41 ; D114.A15 312.42,354.79 ; D114.A15 311.61,355.6 ; D114.A15 313.23,355.6 ; 414.02,60.15 D107.B14 ; D107.B14 414.02,61.77 ; D107.B14 413.21,60.96 ; D107.B14 414.83,60.96 ; D102.A2 310.69,76.2 ; D102.A2 309.07,76.2 ; D102.A2 309.88,77.01 ; D102.A2 309.88,75.39 ; D106.B5 391.97,78.74 ; D106.B5 391.16,77.93 ; D106.B5 390.35,78.74 ; D106.B5 391.16,79.55 ; 260.91,86.36 D321.A12 ; D321.A12 261.62,85.65 ; D321.A12 261.62,87.07 ; D321.A12 262.33,86.36 ; 25.4,80.47 D126.B6 ; D126.B6 24.59,81.28 ; D126.B6 25.4,82.09 ; D126.B6 26.21,81.28 ; D301.B10 330.2,92.15 ; D301.B10 330.91,91.44 ; D301.B10 330.2,90.73 ; D301.B10 329.49,91.44 ; D109.A16 384.35,332.74 ; D109.A16 383.54,333.55 ; D109.A16 383.54,331.93 ; D109.A16 382.73,332.74 ; D431.A6 187.96,384.35 ; D431.A6 187.15,383.54 ; D431.A6 188.77,383.54 ; D431.A6 187.96,382.73 ; 175.26,414.48 DPS8.A11 ; DPS8.A11 174.45,415.29 ; DPS8.A11 175.26,416.1 ; DPS8.A11 176.07,415.29 ; 195.58,67.87 D318.B15 ; D318.B15 195.58,69.29 ; D318.B15 196.29,68.58 ; D318.B15 194.87,68.58 ; CSDPS429.B14 168.45,342.9 ; CSDPS429.B14 167.64,343.71 ; CSDPS429.B14 166.83,342.9 ; CSDPS429.B14 167.64,342.09 ; 30.48,39.83 D128.B8 ; D128.B8 31.29,40.64 ; D128.B8 29.67,40.64 ; D128.B8 30.48,41.45 ; D321.B3 239.47,88.9 ; D321.B3 238.76,88.19 ; D321.B3 238.76,89.61 ; D321.B3 238.05,88.9 ; D130.B16 124.46,82.09 ; D130.B16 123.65,81.28 ; D130.B16 125.27,81.28 ; D130.B16 124.46,80.47 ; D317.A12 188.67,86.36 ; D317.A12 187.25,86.36 ; D317.A12 187.96,85.65 ; D317.A12 187.96,87.07 ; D109.A13 391.16,336.09 ; D109.A13 391.16,334.47 ; D109.A13 391.97,335.28 ; D128.B16 51.61,40.64 ; D128.B16 50.8,41.45 ; D128.B16 49.99,40.64 ; D128.B16 50.8,39.83 ; D102.A3 313.23,73.66 ; D102.A3 312.42,74.47 ; D102.A3 311.61,73.66 ; D102.A3 312.42,72.85 ; D127.A7 28.75,53.34 ; D127.A7 27.94,52.53 ; D127.A7 27.13,53.34 ; D127.A7 27.94,54.15 ; 103.33,101.6 D129.B8 ; D129.B8 104.95,101.6 ; D129.B8 104.14,102.41 ; D129.B8 104.14,100.79 ; 258.27,340.36 CSDPS425.C7 ; CSDPS425.C7 259.08,339.55 ; CSDPS425.C7 259.89,340.36 ; CSDPS425.C7 259.08,341.17 ; 410.77,63.5 D306.A13 ; D306.A13 411.48,62.79 ; D306.A13 412.19,63.5 ; D306.A13 411.48,64.21 ; 27.94,37.29 D128.B7 ; D128.B7 27.94,38.91 ; D128.B7 27.13,38.1 ; D128.B7 28.75,38.1 ; D322.B16 271.78,71.83 ; D322.B16 272.49,71.12 ; D322.B16 271.07,71.12 ; D322.B16 271.78,70.41 ; D103.B5 318.31,58.42 ; D103.B5 317.5,59.23 ; D103.B5 317.5,57.61 ; D103.B5 316.69,58.42 ; 48.26,77.93 D126.B15 ; D126.B15 47.45,78.74 ; D126.B15 49.07,78.74 ; 393.7,85.65 D305.A6 ; D305.A6 394.41,86.36 ; D305.A6 393.7,87.07 ; D305.A6 392.99,86.36 ; D126.B14 45.72,82.09 ; D126.B14 45.72,80.47 ; D126.B14 44.91,81.28 ; 344.63,35.56 D104.A16 ; D104.A16 345.44,36.37 ; D104.A16 346.25,35.56 ; D104.A16 345.44,34.75 ; D318.A13 191.21,63.5 ; D318.A13 189.79,63.5 ; D318.A13 190.5,64.21 ; D318.A13 190.5,62.79 ; D122.A3 239.57,73.66 ; D122.A3 238.76,72.85 ; D122.A3 237.95,73.66 ; D122.A3 238.76,74.47